# KiCad board panelizado.kicad_pcb
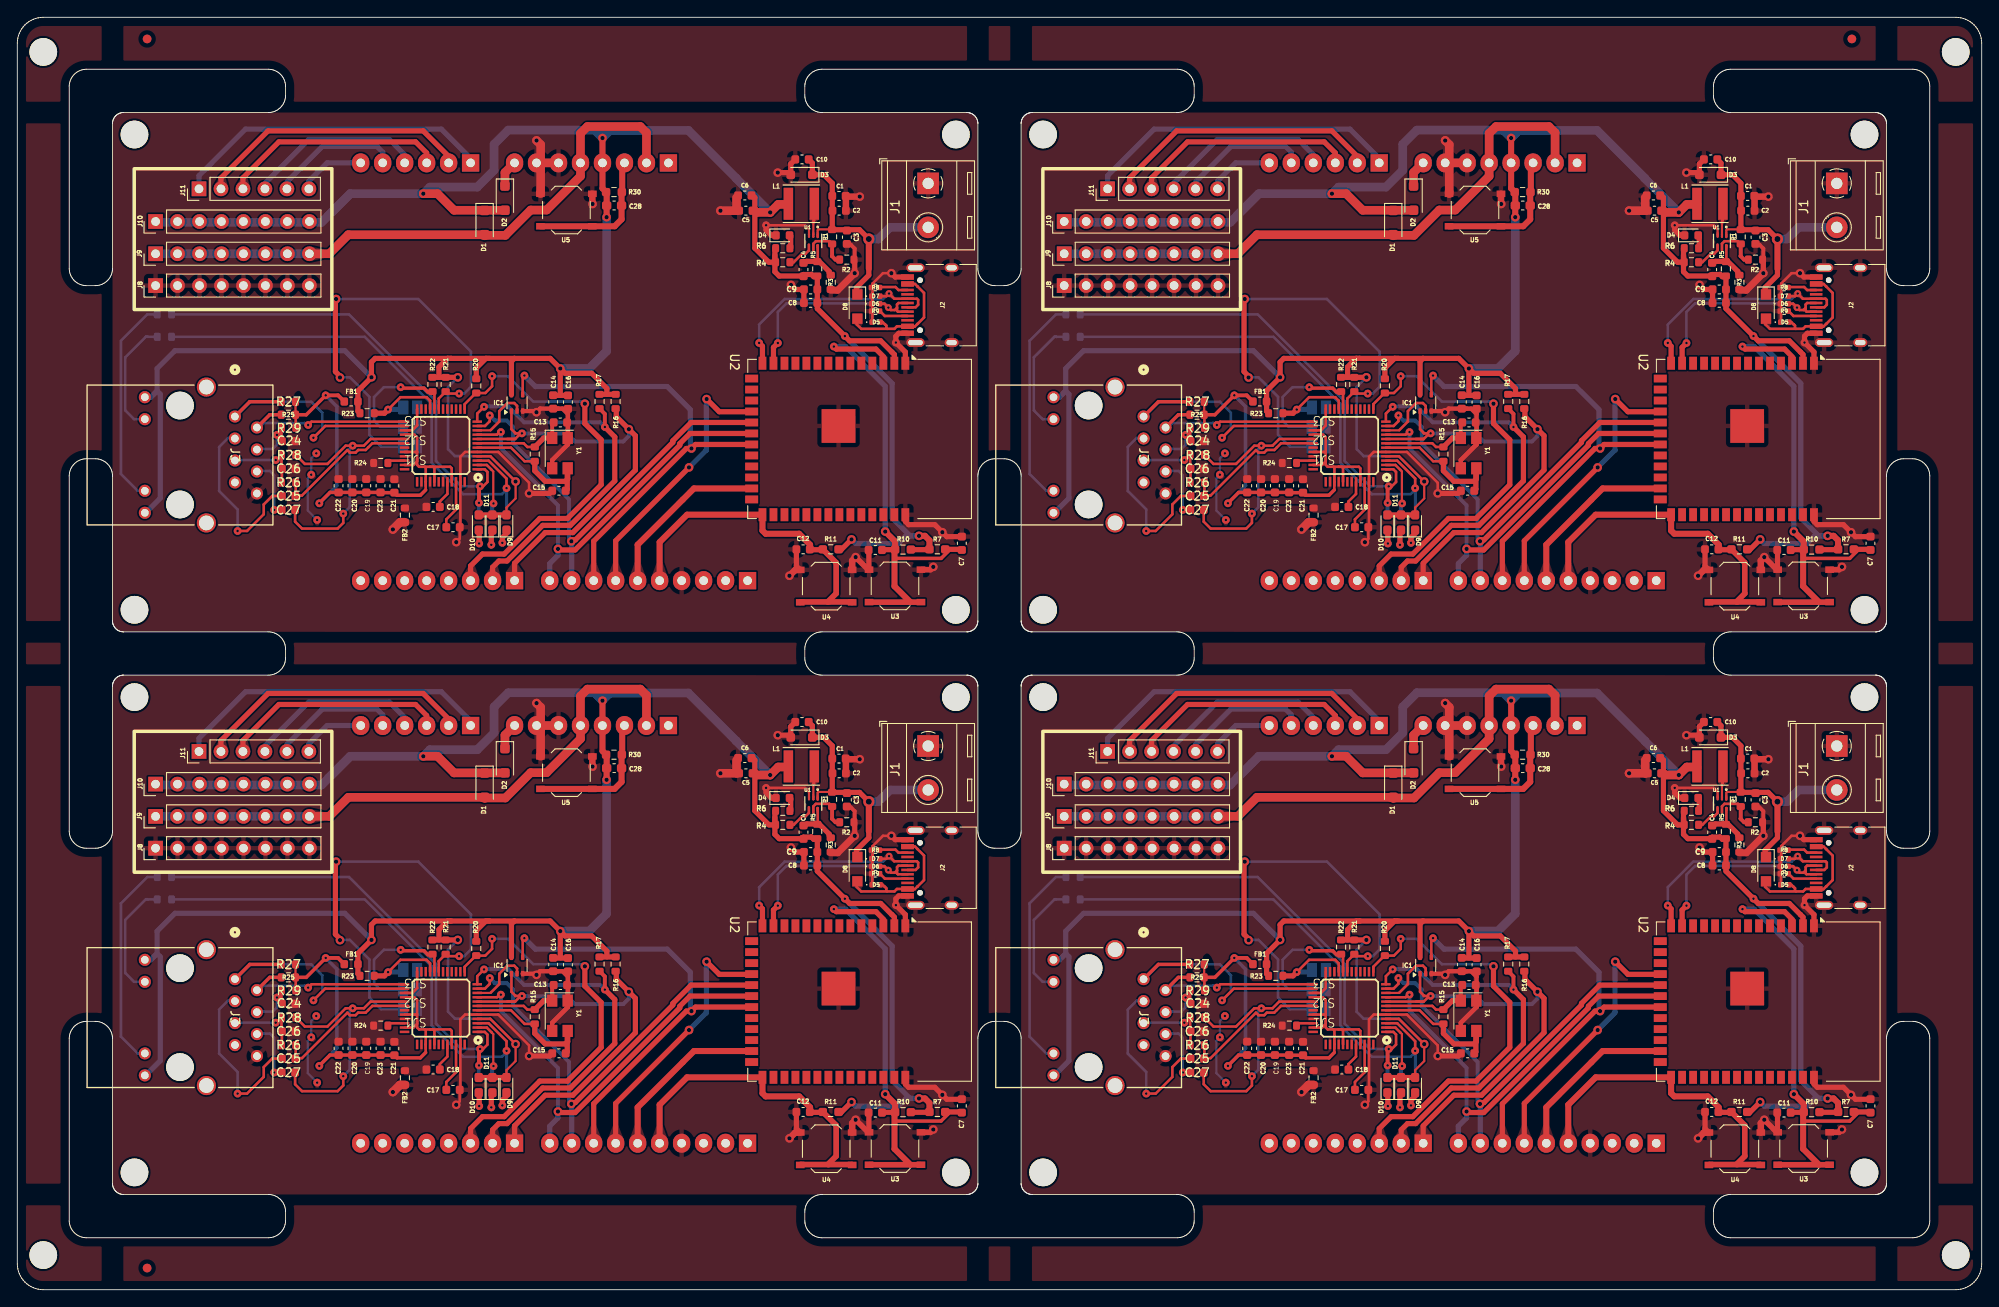
[diagram p0: board, top side]
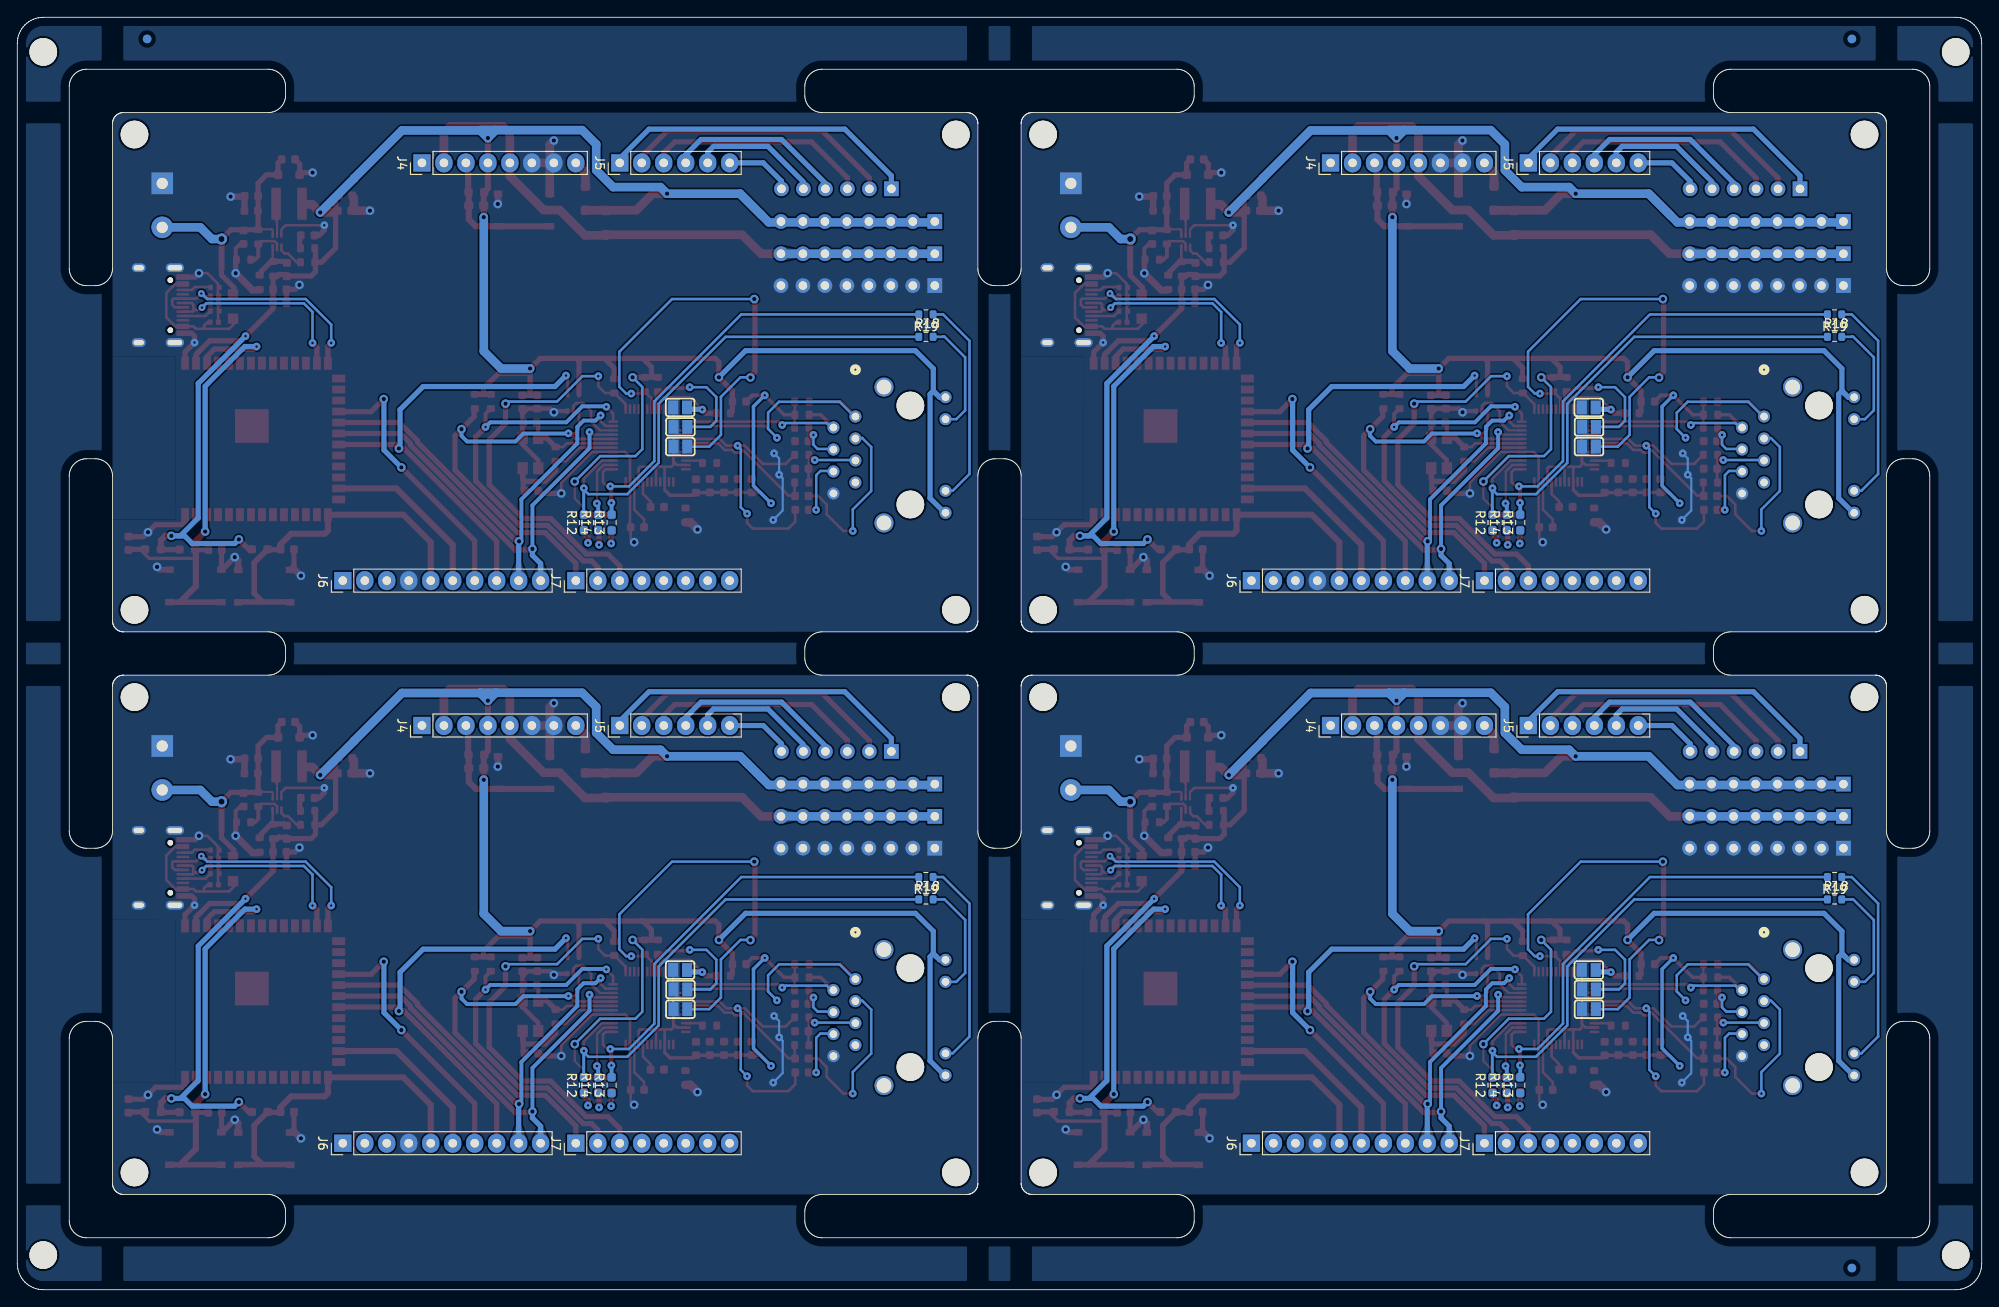
[diagram p1: board, bottom side, seen from below]

Outline 227 x 147 mm; copper layers: Top, Bottom. Coordinates in mm from the lower left corner of the outline.
Stack: Top 0.035mm / dielectric 1.51mm FR4 er 4.5 / Bottom 0.035mm

## Placement (name value [footprint] x y rotation side)
C1  10uF  [C_0603_1608Metric]  94.95 126.36 0 top
C1#2  10uF  [C_0603_1608Metric]  94.95 61.36 0 top
C1#3  10uF  [C_0603_1608Metric]  199.95 61.36 0 top
C1#4  10uF  [C_0603_1608Metric]  199.95 126.36 0 top
C2  10uF  [C_0603_1608Metric]  199.97 124.66 0 top
C2#2  10uF  [C_0603_1608Metric]  94.98 59.66 0 top
C2#3  10uF  [C_0603_1608Metric]  94.98 124.66 0 top
C2#4  10uF  [C_0603_1608Metric]  199.97 59.66 0 top
C3  100nF  [C_0603_1608Metric]  95.87 56.59 270 top
C3#2  100nF  [C_0603_1608Metric]  95.87 121.59 270 top
C3#3  100nF  [C_0603_1608Metric]  200.87 121.59 270 top
C3#4  100nF  [C_0603_1608Metric]  200.87 56.59 270 top
C4  56pF  [C_0603_1608Metric]  195.85 117.85 270 top
C4#2  56pF  [C_0603_1608Metric]  90.85 117.85 270 top
C4#3  56pF  [C_0603_1608Metric]  195.85 52.85 270 top
C4#4  56pF  [C_0603_1608Metric]  90.85 52.85 270 top
C5  22uF  [C_0603_1608Metric]  84.19 59.66 180 top
C5#2  22uF  [C_0603_1608Metric]  189.19 124.66 180 top
C5#3  22uF  [C_0603_1608Metric]  84.19 124.66 180 top
C5#4  22uF  [C_0603_1608Metric]  189.19 59.66 180 top
C6  100nF  [C_0603_1608Metric]  189.06 126.41 180 top
C6#2  100nF  [C_0603_1608Metric]  189.06 61.41 180 top
C6#3  100nF  [C_0603_1608Metric]  84.07 126.41 180 top
C6#4  100nF  [C_0603_1608Metric]  84.07 61.41 180 top
C7  10uF  [C_0603_1608Metric]  214.14 21.23 90 top
C7#2  10uF  [C_0603_1608Metric]  109.14 21.23 90 top
C7#3  10uF  [C_0603_1608Metric]  214.14 86.23 90 top
C7#4  10uF  [C_0603_1608Metric]  109.14 86.23 90 top
C8  0.1uF  [C_0603_1608Metric]  91.67 114.01 180 top
C8#2  0.1uF  [C_0603_1608Metric]  196.67 114.01 180 top
C8#3  0.1uF  [C_0603_1608Metric]  196.67 49.01 180 top
C8#4  0.1uF  [C_0603_1608Metric]  91.67 49.01 180 top
C9  10uF  [C_0603_1608Metric]  196.67 50.56 180 top
C9#2  10uF  [C_0603_1608Metric]  91.67 115.56 180 top
C9#3  10uF  [C_0603_1608Metric]  196.67 115.56 180 top
C9#4  10uF  [C_0603_1608Metric]  91.67 50.56 180 top
C10  10uF  [C_0603_1608Metric]  90.68 130.58 180 top
C10#2  10uF  [C_0603_1608Metric]  195.67 130.58 180 top
C10#3  10uF  [C_0603_1608Metric]  90.68 65.58 180 top
C10#4  10uF  [C_0603_1608Metric]  195.67 65.58 180 top
C11  10uF  [C_0603_1608Metric]  99.15 20.46 180 top
C11#2  10uF  [C_0603_1608Metric]  204.15 85.46 180 top
C11#3  10uF  [C_0603_1608Metric]  204.15 20.46 180 top
C11#4  10uF  [C_0603_1608Metric]  99.15 85.46 180 top
C12  10uF  [C_0603_1608Metric]  195.8 85.53 180 top
C12#2  10uF  [C_0603_1608Metric]  90.8 20.53 180 top
C12#3  10uF  [C_0603_1608Metric]  195.8 20.53 180 top
C12#4  10uF  [C_0603_1608Metric]  90.8 85.53 180 top
C13  22pF  [C_0603_1608Metric]  62.76 35.19 0 top
C13#2  22pF  [C_0603_1608Metric]  167.75 35.19 0 top
C13#3  22pF  [C_0603_1608Metric]  167.75 100.19 0 top
C13#4  22pF  [C_0603_1608Metric]  62.76 100.19 0 top
C14  10uF  [C_0603_1608Metric]  61.92 102.57 270 top
C14#2  10uF  [C_0603_1608Metric]  166.92 37.57 270 top
C14#3  10uF  [C_0603_1608Metric]  61.92 37.57 270 top
C14#4  10uF  [C_0603_1608Metric]  166.92 102.57 270 top
C15  22pF  [C_0603_1608Metric]  62.59 92.3 180 top
C15#2  22pF  [C_0603_1608Metric]  167.59 92.3 180 top
C15#3  22pF  [C_0603_1608Metric]  62.59 27.3 180 top
C15#4  22pF  [C_0603_1608Metric]  167.59 27.3 180 top
C16  0.1uF  [C_0603_1608Metric]  168.63 37.54 270 top
C16#2  0.1uF  [C_0603_1608Metric]  168.63 102.54 270 top
C16#3  0.1uF  [C_0603_1608Metric]  63.63 102.54 270 top
C16#4  0.1uF  [C_0603_1608Metric]  63.63 37.54 270 top
C17  0.1uF  [C_0603_1608Metric]  50.35 88.09 0 top
C17#2  0.1uF  [C_0603_1608Metric]  155.35 23.09 0 top
C17#3  0.1uF  [C_0603_1608Metric]  155.35 88.09 0 top
C17#4  0.1uF  [C_0603_1608Metric]  50.35 23.09 0 top
C18  10uF  [C_0603_1608Metric]  48.05 90.43 180 top
C18#2  10uF  [C_0603_1608Metric]  48.05 25.43 180 top
C18#3  10uF  [C_0603_1608Metric]  153.05 90.43 180 top
C18#4  10uF  [C_0603_1608Metric]  153.05 25.43 180 top
C19  0.1uF  [C_0603_1608Metric]  145.32 27.88 90 top
C19#2  0.1uF  [C_0603_1608Metric]  40.32 27.88 90 top
C19#3  0.1uF  [C_0603_1608Metric]  145.32 92.88 90 top
C19#4  0.1uF  [C_0603_1608Metric]  40.32 92.88 90 top
C20  0.1uF  [C_0603_1608Metric]  38.72 92.88 90 top
C20#2  0.1uF  [C_0603_1608Metric]  38.72 27.88 90 top
C20#3  0.1uF  [C_0603_1608Metric]  143.72 27.88 90 top
C20#4  0.1uF  [C_0603_1608Metric]  143.72 92.88 90 top
C21  0.1uF  [C_0603_1608Metric]  148.57 92.86 90 top
C21#2  0.1uF  [C_0603_1608Metric]  43.57 92.86 90 top
C21#3  0.1uF  [C_0603_1608Metric]  148.57 27.86 90 top
C21#4  0.1uF  [C_0603_1608Metric]  43.57 27.86 90 top
C22  0.1uF  [C_0603_1608Metric]  37.12 27.88 90 top
C22#2  0.1uF  [C_0603_1608Metric]  142.12 92.88 90 top
C22#3  0.1uF  [C_0603_1608Metric]  142.12 27.88 90 top
C22#4  0.1uF  [C_0603_1608Metric]  37.12 92.88 90 top
C23  10uF  [C_0603_1608Metric]  41.97 27.88 90 top
C23#2  10uF  [C_0603_1608Metric]  146.97 27.88 90 top
C23#3  10uF  [C_0603_1608Metric]  41.97 92.88 90 top
C23#4  10uF  [C_0603_1608Metric]  146.97 92.88 90 top
C24  10nF  [C_0603_1608Metric]  31.35 33.03 0 top
C24#2  10nF  [C_0603_1608Metric]  136.35 98.03 0 top
C24#3  10nF  [C_0603_1608Metric]  136.35 33.03 0 top
C24#4  10nF  [C_0603_1608Metric]  31.35 98.03 0 top
C25  6.8nF  [C_0603_1608Metric]  31.35 91.7 0 top
C25#2  6.8nF  [C_0603_1608Metric]  136.35 91.7 0 top
C25#3  6.8nF  [C_0603_1608Metric]  136.35 26.7 0 top
C25#4  6.8nF  [C_0603_1608Metric]  31.35 26.7 0 top
C26  10nF  [C_0603_1608Metric]  136.35 94.85 0 top
C26#2  10nF  [C_0603_1608Metric]  31.35 29.85 0 top
C26#3  10nF  [C_0603_1608Metric]  136.35 29.85 0 top
C26#4  10nF  [C_0603_1608Metric]  31.35 94.85 0 top
C27  6.8nF  [C_0603_1608Metric]  136.33 25.1 0 top
C27#2  6.8nF  [C_0603_1608Metric]  136.33 90.1 0 top
C27#3  6.8nF  [C_0603_1608Metric]  31.33 90.1 0 top
C27#4  6.8nF  [C_0603_1608Metric]  31.33 25.1 0 top
C28  1nF  [C_0603_1608Metric_Pad1.08x0.95mm_HandSolder]  68.97 60.25 0 top
C28#2  1nF  [C_0603_1608Metric_Pad1.08x0.95mm_HandSolder]  173.97 125.25 0 top
C28#3  1nF  [C_0603_1608Metric_Pad1.08x0.95mm_HandSolder]  173.97 60.25 0 top
C28#4  1nF  [C_0603_1608Metric_Pad1.08x0.95mm_HandSolder]  68.97 125.25 0 top
D1  DSS14U  [D_SOD-123F]  54 123.28 270 top
D1#2  DSS14U  [D_SOD-123F]  159 58.28 270 top
D1#3  DSS14U  [D_SOD-123F]  159 123.28 270 top
D1#4  DSS14U  [D_SOD-123F]  54 58.28 270 top
D2  DSS14U  [D_SOD-123F]  56.35 61.11 270 top
D2#2  DSS14U  [D_SOD-123F]  56.35 126.11 270 top
D2#3  DSS14U  [D_SOD-123F]  161.35 61.11 270 top
D2#4  DSS14U  [D_SOD-123F]  161.35 126.11 270 top
D3  SD12C-7  [D_SOD-323_HandSoldering]  90.63 128.81 180 top
D3#2  SD12C-7  [D_SOD-323_HandSoldering]  195.62 63.81 180 top
D3#3  SD12C-7  [D_SOD-323_HandSoldering]  195.62 128.81 180 top
D3#4  SD12C-7  [D_SOD-323_HandSoldering]  90.63 63.81 180 top
D4  LED_POW  [LED_0603_1608Metric]  193.45 56.81 0 top
D4#2  LED_POW  [LED_0603_1608Metric]  193.45 121.81 0 top
D4#3  LED_POW  [LED_0603_1608Metric]  88.45 121.81 0 top
D4#4  LED_POW  [LED_0603_1608Metric]  88.45 56.81 0 top
D5  D_TVS_Filled  [D_0402_1005Metric]  99.24 46.78 0 top
D5#2  D_TVS_Filled  [D_0402_1005Metric]  204.24 111.78 0 top
D5#3  D_TVS_Filled  [D_0402_1005Metric]  99.24 111.78 0 top
D5#4  D_TVS_Filled  [D_0402_1005Metric]  204.24 46.78 0 top
D6  D_TVS_Filled  [D_0402_1005Metric]  204.18 48.9 0 top
D6#2  D_TVS_Filled  [D_0402_1005Metric]  204.18 113.9 0 top
D6#3  D_TVS_Filled  [D_0402_1005Metric]  99.19 48.9 0 top
D6#4  D_TVS_Filled  [D_0402_1005Metric]  99.19 113.9 0 top
D7  D_TVS_Filled  [D_0402_1005Metric]  204.2 114.78 0 top
D7#2  D_TVS_Filled  [D_0402_1005Metric]  204.2 49.78 0 top
D7#3  D_TVS_Filled  [D_0402_1005Metric]  99.21 49.78 0 top
D7#4  D_TVS_Filled  [D_0402_1005Metric]  99.21 114.78 0 top
D8  1N5819  [Nexperia_CFP3_SOD-123W]  202.07 113.58 270 top
D8#2  1N5819  [Nexperia_CFP3_SOD-123W]  97.08 113.58 270 top
D8#3  1N5819  [Nexperia_CFP3_SOD-123W]  97.08 48.58 270 top
D8#4  1N5819  [Nexperia_CFP3_SOD-123W]  202.07 48.58 270 top
D9  LED_POW  [LED_0603_1608Metric_Pad1.05x0.95mm_HandSolder]  56.53 88.63 90 top
D9#2  LED_POW  [LED_0603_1608Metric_Pad1.05x0.95mm_HandSolder]  56.53 23.63 90 top
D9#3  LED_POW  [LED_0603_1608Metric_Pad1.05x0.95mm_HandSolder]  161.53 88.63 90 top
D9#4  LED_POW  [LED_0603_1608Metric_Pad1.05x0.95mm_HandSolder]  161.53 23.63 90 top
D10  LED_POW  [LED_0603_1608Metric_Pad1.05x0.95mm_HandSolder]  53.33 23.63 90 top
D10#2  LED_POW  [LED_0603_1608Metric_Pad1.05x0.95mm_HandSolder]  53.33 88.63 90 top
D10#3  LED_POW  [LED_0603_1608Metric_Pad1.05x0.95mm_HandSolder]  158.32 23.63 90 top
D10#4  LED_POW  [LED_0603_1608Metric_Pad1.05x0.95mm_HandSolder]  158.32 88.63 90 top
D11  LED_POW  [LED_0603_1608Metric_Pad1.05x0.95mm_HandSolder]  159.9 23.63 90 top
D11#2  LED_POW  [LED_0603_1608Metric_Pad1.05x0.95mm_HandSolder]  54.9 88.63 90 top
D11#3  LED_POW  [LED_0603_1608Metric_Pad1.05x0.95mm_HandSolder]  54.9 23.63 90 top
D11#4  LED_POW  [LED_0603_1608Metric_Pad1.05x0.95mm_HandSolder]  159.9 88.63 90 top
FB1  ferrite  [L_0603_1608Metric]  38.57 37.61 180 top
FB1#2  ferrite  [L_0603_1608Metric]  143.57 102.61 180 top
FB1#3  ferrite  [L_0603_1608Metric]  143.57 37.61 180 top
FB1#4  ferrite  [L_0603_1608Metric]  38.57 102.61 180 top
FB2  ferrite  [R_0603_1608Metric]  149.79 89.48 90 top
FB2#2  ferrite  [R_0603_1608Metric]  44.79 89.48 90 top
FB2#3  ferrite  [R_0603_1608Metric]  44.79 24.48 90 top
FB2#4  ferrite  [R_0603_1608Metric]  149.79 24.48 90 top
IC1  74AHC1G125  [SOT-353_SC-70-5]  57.75 102.46 90 top
IC1#2  74AHC1G125  [SOT-353_SC-70-5]  57.75 37.46 90 top
IC1#3  74AHC1G125  [SOT-353_SC-70-5]  162.75 37.46 90 top
IC1#4  74AHC1G125  [SOT-353_SC-70-5]  162.75 102.46 90 top
J1  BAT  [TerminalBlock_RND_205-00287_1x02_P5.08mm_Horizontal]  105.26 62.81 270 top
J1#2  BAT  [TerminalBlock_RND_205-00287_1x02_P5.08mm_Horizontal]  210.25 62.81 270 top
J1#3  BAT  [TerminalBlock_RND_205-00287_1x02_P5.08mm_Horizontal]  105.26 127.81 270 top
J1#4  BAT  [TerminalBlock_RND_205-00287_1x02_P5.08mm_Horizontal]  210.25 127.81 270 top
J2  USB_C_Receptacle_USB2.0_16P  [USB_C_Receptacle_HRO_TYPE-C-31-M-12]  211.92 48.74 90 top
J2#2  USB_C_Receptacle_USB2.0_16P  [USB_C_Receptacle_HRO_TYPE-C-31-M-12]  211.92 113.74 90 top
J2#3  USB_C_Receptacle_USB2.0_16P  [USB_C_Receptacle_HRO_TYPE-C-31-M-12]  106.92 48.74 90 top
J2#4  USB_C_Receptacle_USB2.0_16P  [USB_C_Receptacle_HRO_TYPE-C-31-M-12]  106.92 113.74 90 top
J3  RJ45  [CONN12_ARJM11B1-009-AB-EW2_ABR]  18.8 96.43 270 top
J3#2  RJ45  [CONN12_ARJM11B1-009-AB-EW2_ABR]  123.8 96.43 270 top
J3#3  RJ45  [CONN12_ARJM11B1-009-AB-EW2_ABR]  18.8 31.43 270 top
J3#4  RJ45  [CONN12_ARJM11B1-009-AB-EW2_ABR]  123.8 31.43 270 top
J4  Power  [PinHeader_1x08_P2.54mm_Vertical#2]  75.24 130.18 90 bottom
J4#2  Power  [PinHeader_1x08_P2.54mm_Vertical#2]  75.24 65.18 90 bottom
J4#3  Power  [PinHeader_1x08_P2.54mm_Vertical#2]  180.24 130.18 90 bottom
J4#4  Power  [PinHeader_1x08_P2.54mm_Vertical#2]  180.24 65.18 90 bottom
J5  Analog  [PinHeader_1x06_P2.54mm_Vertical#2]  52.38 65.18 90 bottom
J5#2  Analog  [PinHeader_1x06_P2.54mm_Vertical#2]  52.38 130.18 90 bottom
J5#3  Analog  [PinHeader_1x06_P2.54mm_Vertical#2]  157.38 130.18 90 bottom
J5#4  Analog  [PinHeader_1x06_P2.54mm_Vertical#2]  157.38 65.18 90 bottom
J6  Digital/PWM  [PinHeader_1x10_P2.54mm_Vertical]  84.39 16.92 90 bottom
J6#2  Digital/PWM  [PinHeader_1x10_P2.54mm_Vertical]  189.39 81.92 90 bottom
J6#3  Digital/PWM  [PinHeader_1x10_P2.54mm_Vertical]  84.39 81.92 90 bottom
J6#4  Digital/PWM  [PinHeader_1x10_P2.54mm_Vertical]  189.39 16.92 90 bottom
J7  Digital/PWM  [PinHeader_1x08_P2.54mm_Vertical#2]  162.46 16.92 90 bottom
J7#2  Digital/PWM  [PinHeader_1x08_P2.54mm_Vertical#2]  162.46 81.92 90 bottom
J7#3  Digital/PWM  [PinHeader_1x08_P2.54mm_Vertical#2]  57.46 16.92 90 bottom
J7#4  Digital/PWM  [PinHeader_1x08_P2.54mm_Vertical#2]  57.46 81.92 90 bottom
J8  Conn_01x08  [PinHeader_1x08_P2.54mm_Vertical]  15.98 51.01 90 top
J8#2  Conn_01x08  [PinHeader_1x08_P2.54mm_Vertical]  120.97 116.01 90 top
J8#3  Conn_01x08  [PinHeader_1x08_P2.54mm_Vertical]  15.98 116.01 90 top
J8#4  Conn_01x08  [PinHeader_1x08_P2.54mm_Vertical]  120.97 51.01 90 top
J9  Conn_01x08  [PinHeader_1x08_P2.54mm_Vertical]  15.98 119.68 90 top
J9#2  Conn_01x08  [PinHeader_1x08_P2.54mm_Vertical]  15.98 54.68 90 top
J9#3  Conn_01x08  [PinHeader_1x08_P2.54mm_Vertical]  120.97 54.68 90 top
J9#4  Conn_01x08  [PinHeader_1x08_P2.54mm_Vertical]  120.97 119.68 90 top
J10  Conn_01x08  [PinHeader_1x08_P2.54mm_Vertical]  15.98 123.41 90 top
J10#2  Conn_01x08  [PinHeader_1x08_P2.54mm_Vertical]  15.98 58.41 90 top
J10#3  Conn_01x08  [PinHeader_1x08_P2.54mm_Vertical]  120.97 58.41 90 top
J10#4  Conn_01x08  [PinHeader_1x08_P2.54mm_Vertical]  120.97 123.41 90 top
J11  Analogico  [PinHeader_1x06_P2.54mm_Vertical]  125.99 127.18 90 top
J11#2  Analogico  [PinHeader_1x06_P2.54mm_Vertical]  125.99 62.18 90 top
J11#3  Analogico  [PinHeader_1x06_P2.54mm_Vertical]  21 62.18 90 top
J11#4  Analogico  [PinHeader_1x06_P2.54mm_Vertical]  21 127.18 90 top
KiKit_FID_B_1  -  [Fiducial]  15 144.5 180 bottom
KiKit_FID_B_2  -  [Fiducial]  212 144.5 180 bottom
KiKit_FID_B_3  -  [Fiducial]  15 2.5 180 bottom
KiKit_FID_T_1  -  [Fiducial]  15 144.5 0 top
KiKit_FID_T_2  -  [Fiducial]  212 144.5 0 top
KiKit_FID_T_3  -  [Fiducial]  15 2.5 0 top
KiKit_TO_1  -  [NPTH]  3 143 0 top
KiKit_TO_2  -  [NPTH]  224 143 0 top
KiKit_TO_3  -  [NPTH]  3 4 0 top
KiKit_TO_4  -  [NPTH]  224 4 0 top
L1  2.2uH  [IND_PA4332.222NLT]  195.6 60.46 180 top
L1#2  2.2uH  [IND_PA4332.222NLT]  90.6 60.46 180 top
L1#3  2.2uH  [IND_PA4332.222NLT]  90.6 125.46 180 top
L1#4  2.2uH  [IND_PA4332.222NLT]  195.6 125.46 180 top
MH1  -  [MountingHole_3.2mm]  108.46 13.54 180 top
MH1#2  -  [MountingHole_3.2mm]  213.46 13.54 180 top
MH1#3  -  [MountingHole_3.2mm]  213.46 78.54 180 top
MH1#4  -  [MountingHole_3.2mm]  108.46 78.54 180 top
MH2  -  [MountingHole_3.2mm]  108.46 68.46 180 top
MH2#2  -  [MountingHole_3.2mm]  108.46 133.46 180 top
MH2#3  -  [MountingHole_3.2mm]  213.46 133.46 180 top
MH2#4  -  [MountingHole_3.2mm]  213.46 68.46 180 top
MH3  -  [MountingHole_3.2mm]  13.54 13.55 180 top
MH3#2  -  [MountingHole_3.2mm]  118.54 78.55 180 top
MH3#3  -  [MountingHole_3.2mm]  118.54 13.55 180 top
MH3#4  -  [MountingHole_3.2mm]  13.54 78.55 180 top
MH4  -  [MountingHole_3.2mm]  13.54 133.46 180 top
MH4#2  -  [MountingHole_3.2mm]  118.54 133.46 180 top
MH4#3  -  [MountingHole_3.2mm]  13.54 68.46 180 top
MH4#4  -  [MountingHole_3.2mm]  118.54 68.46 180 top
R1  100K  [R_0603_1608Metric]  199.15 56.64 90 top
R1#2  100K  [R_0603_1608Metric]  199.15 121.64 90 top
R1#3  100K  [R_0603_1608Metric]  94.16 121.64 90 top
R1#4  100K  [R_0603_1608Metric]  94.16 56.64 90 top
R2  32K  [R_0603_1608Metric]  200.85 119 180 top
R2#2  32K  [R_0603_1608Metric]  95.86 119 180 top
R2#3  32K  [R_0603_1608Metric]  200.85 54 180 top
R2#4  32K  [R_0603_1608Metric]  95.86 54 180 top
R3  10K  [R_0603_1608Metric]  94 116.38 90 top
R3#2  10K  [R_0603_1608Metric]  94 51.38 90 top
R3#3  10K  [R_0603_1608Metric]  199 116.38 90 top
R3#4  10K  [R_0603_1608Metric]  199 51.38 90 top
R4  10K  [R_0603_1608Metric]  193.45 118.7 180 top
R4#2  10K  [R_0603_1608Metric]  193.45 53.7 180 top
R4#3  10K  [R_0603_1608Metric]  88.46 118.7 180 top
R4#4  10K  [R_0603_1608Metric]  88.46 53.7 180 top
R5  220K  [R_0603_1608Metric]  197.44 117.94 270 top
R5#2  220K  [R_0603_1608Metric]  92.44 52.94 270 top
R5#3  220K  [R_0603_1608Metric]  197.44 52.94 270 top
R5#4  220K  [R_0603_1608Metric]  92.44 117.94 270 top
R6  1K  [R_0603_1608Metric]  88.46 120.32 0 top
R6#2  1K  [R_0603_1608Metric]  88.46 55.32 0 top
R6#3  1K  [R_0603_1608Metric]  193.45 55.32 0 top
R6#4  1K  [R_0603_1608Metric]  193.45 120.32 0 top
R7  1K  [R_0603_1608Metric_Pad0.98x0.95mm_HandSolder]  211.32 20.53 180 top
R7#2  1K  [R_0603_1608Metric_Pad0.98x0.95mm_HandSolder]  106.32 85.53 180 top
R7#3  1K  [R_0603_1608Metric_Pad0.98x0.95mm_HandSolder]  106.32 20.53 180 top
R7#4  1K  [R_0603_1608Metric_Pad0.98x0.95mm_HandSolder]  211.32 85.53 180 top
R8  5k1  [R_0402_1005Metric]  99.17 115.78 180 top
R8#2  5k1  [R_0402_1005Metric]  204.16 50.78 180 top
R8#3  5k1  [R_0402_1005Metric]  99.17 50.78 180 top
R8#4  5k1  [R_0402_1005Metric]  204.16 115.78 180 top
R9  5k1  [R_0402_1005Metric]  99.18 48.06 180 top
R9#2  5k1  [R_0402_1005Metric]  204.17 113.06 180 top
R9#3  5k1  [R_0402_1005Metric]  99.18 113.06 180 top
R9#4  5k1  [R_0402_1005Metric]  204.17 48.06 180 top
R10  1K  [R_0603_1608Metric_Pad0.98x0.95mm_HandSolder]  207.35 20.51 0 top
R10#2  1K  [R_0603_1608Metric_Pad0.98x0.95mm_HandSolder]  102.35 20.51 0 top
R10#3  1K  [R_0603_1608Metric_Pad0.98x0.95mm_HandSolder]  207.35 85.51 0 top
R10#4  1K  [R_0603_1608Metric_Pad0.98x0.95mm_HandSolder]  102.35 85.51 0 top
R11  1K  [R_0603_1608Metric_Pad0.98x0.95mm_HandSolder]  93.99 20.53 0 top
R11#2  1K  [R_0603_1608Metric_Pad0.98x0.95mm_HandSolder]  198.99 20.53 0 top
R11#3  1K  [R_0603_1608Metric_Pad0.98x0.95mm_HandSolder]  93.99 85.53 0 top
R11#4  1K  [R_0603_1608Metric_Pad0.98x0.95mm_HandSolder]  198.99 85.53 0 top
R12  1K  [R_0603_1608Metric_Pad0.98x0.95mm_HandSolder]  161.52 23.63 90 bottom
R12#2  1K  [R_0603_1608Metric_Pad0.98x0.95mm_HandSolder]  56.53 23.63 90 bottom
R12#3  1K  [R_0603_1608Metric_Pad0.98x0.95mm_HandSolder]  56.53 88.63 90 bottom
R12#4  1K  [R_0603_1608Metric_Pad0.98x0.95mm_HandSolder]  161.52 88.63 90 bottom
R13  1K  [R_0603_1608Metric_Pad0.98x0.95mm_HandSolder]  158.32 23.63 90 bottom
R13#2  1K  [R_0603_1608Metric_Pad0.98x0.95mm_HandSolder]  53.33 88.63 90 bottom
R13#3  1K  [R_0603_1608Metric_Pad0.98x0.95mm_HandSolder]  158.32 88.63 90 bottom
R13#4  1K  [R_0603_1608Metric_Pad0.98x0.95mm_HandSolder]  53.33 23.63 90 bottom
R14  1K  [R_0603_1608Metric_Pad0.98x0.95mm_HandSolder]  54.88 88.63 90 bottom
R14#2  1K  [R_0603_1608Metric_Pad0.98x0.95mm_HandSolder]  159.87 88.63 90 bottom
R14#3  1K  [R_0603_1608Metric_Pad0.98x0.95mm_HandSolder]  159.87 23.63 90 bottom
R14#4  1K  [R_0603_1608Metric_Pad0.98x0.95mm_HandSolder]  54.88 23.63 90 bottom
R15  1M  [R_0603_1608Metric]  164.79 96.53 270 top
R15#2  1M  [R_0603_1608Metric]  164.79 31.53 270 top
R15#3  1M  [R_0603_1608Metric]  59.8 31.53 270 top
R15#4  1M  [R_0603_1608Metric]  59.8 96.53 270 top
R16  10K  [R_0603_1608Metric]  69.14 102.62 90 top
R16#2  10K  [R_0603_1608Metric]  174.14 102.62 90 top
R16#3  10K  [R_0603_1608Metric]  174.14 37.62 90 top
R16#4  10K  [R_0603_1608Metric]  69.14 37.62 90 top
R17  10K  [R_0603_1608Metric]  172.28 102.62 90 top
R17#2  10K  [R_0603_1608Metric]  172.28 37.62 90 top
R17#3  10K  [R_0603_1608Metric]  67.28 102.62 90 top
R17#4  10K  [R_0603_1608Metric]  67.28 37.62 90 top
R18  470  [R_0603_1608Metric]  122 45.08 0 bottom
R18#2  470  [R_0603_1608Metric]  17 45.08 0 bottom
R18#3  470  [R_0603_1608Metric]  17 110.08 0 bottom
R18#4  470  [R_0603_1608Metric]  122 110.08 0 bottom
R19  470  [R_0603_1608Metric]  122 47.67 0 bottom
R19#2  470  [R_0603_1608Metric]  17 47.67 0 bottom
R19#3  470  [R_0603_1608Metric]  17 112.67 0 bottom
R19#4  470  [R_0603_1608Metric]  122 112.67 0 bottom
R20  10K  [R_0603_1608Metric]  158.03 39.42 270 top
R20#2  10K  [R_0603_1608Metric]  158.03 104.42 270 top
R20#3  10K  [R_0603_1608Metric]  53.03 39.42 270 top
R20#4  10K  [R_0603_1608Metric]  53.03 104.42 270 top
R21  10K  [R_0603_1608Metric]  49.5 104.58 270 top
R21#2  10K  [R_0603_1608Metric]  154.5 104.58 270 top
R21#3  10K  [R_0603_1608Metric]  49.5 39.58 270 top
R21#4  10K  [R_0603_1608Metric]  154.5 39.58 270 top
R22  10K  [R_0603_1608Metric]  47.97 39.58 270 top
R22#2  10K  [R_0603_1608Metric]  152.97 39.58 270 top
R22#3  10K  [R_0603_1608Metric]  152.97 104.58 270 top
R22#4  10K  [R_0603_1608Metric]  47.97 104.58 270 top
R23  10K  [R_0603_1608Metric]  40.42 36.26 0 top
R23#2  10K  [R_0603_1608Metric]  145.42 101.26 0 top